# Altium PCB Main_Board.PcbDoc (part 4 of 19) (continued)
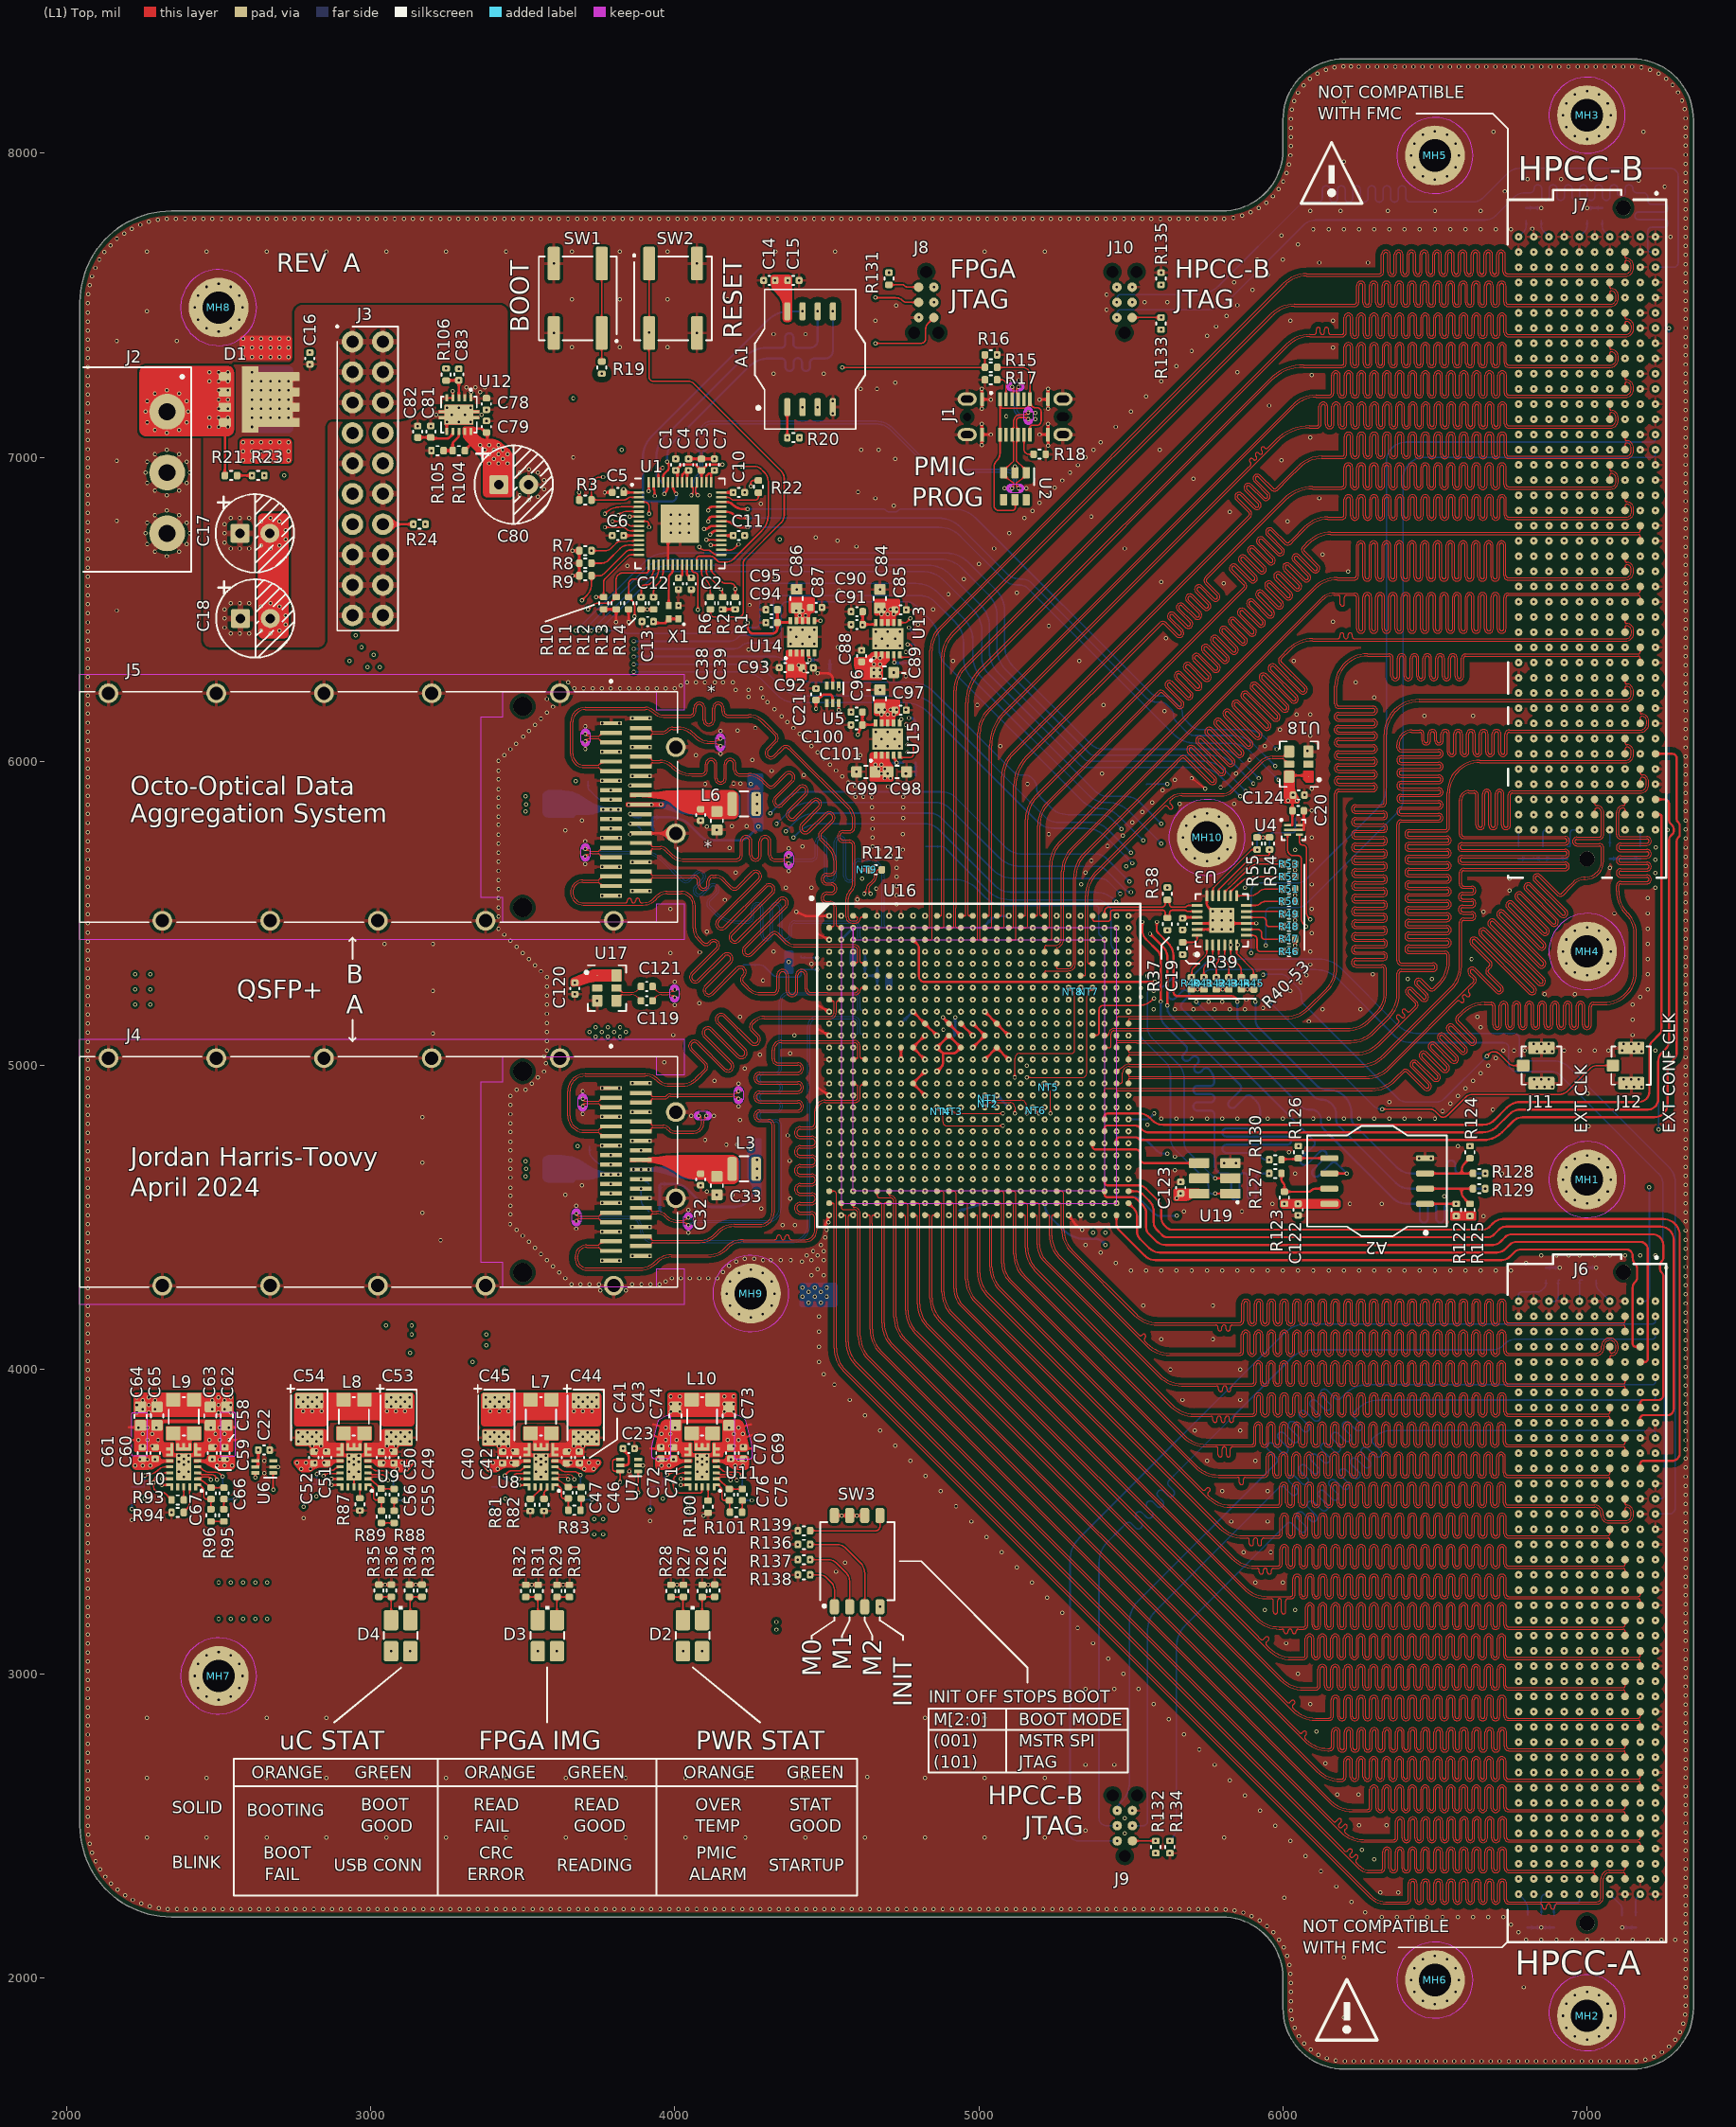
[diagram p0: (L1) Top view]
## Nets (pads, with @x,y where several pads share a name; then routed paths per layer and width w, separated by ;. In a path a pad name is that pad's centre, name@x,y a point inside that pad or via, vN(x,y) a via of type N, cw(c..) or ccw(c..) an arc to the next point about the centre after c; other vN are vias at no path point) (continued)
  other v1: 6203.22,1725.58 6233.2,1725.58 6263.18,1725.58 6293.16,1725.58 6323.14,1725.58 6353.12,1725.58 6383.1,1725.58 6413.08,1725.58 6443.06,1725.58 6473.04,1725.58 6503.02,1725.58 6533,1725.58 6562.98,1725.58 6592.96,1725.58 6622.94,1725.58 6652.92,1725.58 6682.9,1725.58 6712.88,1725.58 6742.86,1725.58 6772.84,1725.58 6802.82,1725.58 6832.8,1725.58 6862.78,1725.58 6892.76,1725.58 6922.74,1725.58 6952.72,1725.58 6982.7,1725.58 7012.68,1725.58 7042.66,1725.58 7072.64,1725.58 7102.62,1725.58 7132.6,1725.58 7162.57,1726.27 6173.31,1727.71 7192.2,1730.8 6144.23,1734.99 7220.54,1740.58 6116.7,1746.87 7246.74,1755.16 6091.65,1763.34 7270.24,1773.77 6069.99,1784.07 7000,1796.26 7290.13,1796.2 6960.63,1806.81 7039.37,1806.81 6051.97,1808.03 7305.67,1821.85 6038.23,1834.67 6931.81,1835.63 7068.19,1835.63 7316.85,1849.66 6029.68,1863.41 6200.79,1870.08 6921.26,1875 7078.74,1875 7323.18,1878.97 6025.89,1893.15 7324.42,1908.92 6500,1913.76 6931.81,1914.37 7068.19,1914.37 6025.58,1923.13 6460.63,1924.31 6539.37,1924.31 7324.42,1938.9 6960.63,1943.19 7039.37,1943.19 6025.58,1953.11 6431.81,1953.13 6568.19,1953.13 7000,1953.74 6791.34,1968.5 7324.42,1968.88 6025.58,1983.09 6421.26,1992.5 6578.74,1992.5 7324.42,1998.86 6024.95,2013.06 7324.42,2028.84 6431.81,2031.87 6568.19,2031.87 6021.22,2042.81 7324.42,2058.82 6460.63,2060.69 6539.37,2060.69 6200.79,2066.93 6500,2071.24 6013.57,2071.8 7324.42,2088.8 6002.15,2099.52 7324.42,2118.78 5987.15,2125.47 6800,2125 6850,2125 6900,2125 6950,2125 7000,2125 7050,2125 7100,2125 7150,2125 7200,2125 7245,2125 7290,2125 5968.84,2149.21 7324.42,2148.76 6775,2150 6850,2165 5947.54,2170.3 6750,2175 7324.42,2178.74 5923.62,2188.39 6325,2200 6375,2200 6425,2200 6475,2200 6525,2200 6575,2200 6625,2200 6675,2200 6725,2200 5897.52,2203.14 7324.42,2208.72 5869.69,2214.29 6270,2215 5840.63,2221.65 5810.85,2225.09 2333.18,2225.99 2363.15,2225.58 2393.13,2225.58 2423.11,2225.58 2453.09,2225.58 2483.07,2225.58 2513.05,2225.58 2543.03,2225.58 2573.01,2225.58 2602.99,2225.58 2632.97,2225.58 2662.95,2225.58 2692.93,2225.58 2722.91,2225.58 2752.89,2225.58 2782.87,2225.58 2812.85,2225.58 2842.83,2225.58 2872.81,2225.58 2902.79,2225.58 2932.77,2225.58 2962.75,2225.58 2992.73,2225.58 3022.71,2225.58 3052.69,2225.58 3082.67,2225.58 3112.65,2225.58 3142.63,2225.58 3172.61,2225.58 3202.59,2225.58 3232.57,2225.58 3262.55,2225.58 3292.53,2225.58 3322.51,2225.58 3352.49,2225.58 3382.47,2225.58 3412.45,2225.58 3442.43,2225.58 3472.41,2225.58 3502.39,2225.58 3532.37,2225.58 3562.35,2225.58 3592.33,2225.58 3622.31,2225.58 3652.29,2225.58 3682.27,2225.58 3712.25,2225.58 3742.23,2225.58 3772.21,2225.58 3802.19,2225.58 3832.17,2225.58 3862.15,2225.58 3892.13,2225.58 3922.11,2225.58 3952.09,2225.58 3982.07,2225.58 4012.05,2225.58 4042.03,2225.58 4072.01,2225.58 4101.99,2225.58 4131.97,2225.58 4161.95,2225.58 4191.93,2225.58 4221.91,2225.58 4251.89,2225.58 4281.87,2225.58 4311.85,2225.58 4341.83,2225.58 4371.81,2225.58 4401.79,2225.58 4431.77,2225.58 4461.75,2225.58 4491.73,2225.58 4521.71,2225.58 4551.69,2225.58 4581.67,2225.58 4611.65,2225.58 4641.63,2225.58 4671.61,2225.58 4701.59,2225.58 4731.57,2225.58 4761.55,2225.58 4791.53,2225.58 4821.51,2225.58 4851.49,2225.58 4881.47,2225.58 4911.45,2225.58 4941.43,2225.58 4971.41,2225.58 5001.39,2225.58 5031.37,2225.58 5061.35,2225.58 5091.33,2225.58 5121.31,2225.58 5151.29,2225.58 5181.27,2225.58 5211.25,2225.58 5241.23,2225.58 5271.21,2225.58 5301.19,2225.58 5331.17,2225.58 5361.15,2225.58 5391.13,2225.58 5421.11,2225.58 5451.09,2225.58 5481.07,2225.58 5511.05,2225.58 5541.03,2225.58 5571.01,2225.58 5600.99,2225.58 5630.97,2225.58 5660.95,2225.58 5690.93,2225.58 5720.91,2225.58 5750.89,2225.58 5780.87,2225.58 2303.33,2228.8 2273.96,2234.84 7324.42,2238.7 2245.43,2244.06 6225,2250 2218.08,2256.32 6003.94,2263.78 7324.42,2268.68 2192.22,2271.5 6825,2275 6925,2275 7025,2275 7125,2275 7225,2275 6320,2280 6380,2280 2168.18,2289.41 7324.42,2298.66 6175,2300 2146.23,2309.83 6775,2325 6875,2325 6975,2325 7075,2325 7175,2325 7324.42,2328.64 2126.64,2332.53 6125,2350 2109.64,2357.22 7324.42,2358.62 6775,2375 6875,2375 6975,2375 7075,2375 7175,2375 2095.43,2383.62 7324.42,2388.6 6300,2390 6075,2400 5628.28,2409.92 2084.19,2411.41 7324.42,2418.58 6260,2420 6825,2425 6925,2425 7025,2425 7125,2425 7225,2425 2076.04,2440.26 7324.42,2448.56 6025,2450 2263.78,2460.63 2460.63,2460.63 2657.48,2460.63 2854.33,2460.63 3051.18,2460.63 3248.03,2460.63 3444.88,2460.63 3641.73,2460.63 3838.58,2460.63 4035.43,2460.63 4232.28,2460.63 4429.13,2460.63 4625.98,2460.63 4822.83,2460.63 5019.69,2460.63 5216.54,2460.63 5807.09,2460.63 2071.08,2469.83 5480,2475 6825,2475 6925,2475 7025,2475 7125,2475 7225,2475 7324.42,2478.54 5350,2485 2069.53,2499.77 5975,2500 6250,2502 6340,2502 7324.42,2508.52 5480,2525 5605,2525 6775,2525 6875,2525 6975,2525 7075,2525 7175,2525 2069.58,2529.75 7324.42,2538.5 5505,2550 5925,2550 2069.58,2559.73 7324.42,2568.48 6775,2575 6875,2575 6975,2575 7075,2575 7175,2575 2069.58,2589.71 7324.42,2598.46 5875,2600 6179,2603 6249,2603 2069.58,2619.69 6825,2625 6925,2625 7025,2625 7125,2625 7225,2625 7324.42,2628.44 2069.58,2649.67 5825,2650 2263.78,2657.48 2460.63,2657.48 2657.48,2657.48 2854.33,2657.48 3051.18,2657.48 3248.03,2657.48 3444.88,2657.48 3641.73,2657.48 3838.58,2657.48 4035.43,2657.48 4232.28,2657.48 4429.13,2657.48 4822.83,2657.48 5019.69,2657.48 5216.54,2657.48 7324.42,2658.42 4633.44,2660.26 6825,2675 6925,2675 7025,2675 7125,2675 7225,2675 2069.58,2679.65 7324.42,2688.4 5350,2700 5445,2700 5775,2700 6140,2706 2069.58,2709.63 7324.42,2718.38 6775,2725 6875,2725 6975,2725 7075,2725 7175,2725 2069.58,2739.61 7324.42,2748.36 5725,2750 2069.58,2769.59 6775,2775 6875,2775 6975,2775 7075,2775 7175,2775 7324.42,2778.34 2069.58,2799.57 5675,2800 7324.42,2808.32 6110,2810 6825,2825 6925,2825 7025,2825 7125,2825 7225,2825 2069.58,2829.55 7324.42,2838.3 5625,2850 2263.78,2854.33 2657.48,2854.33 2854.33,2854.33 4822.83,2854.33 5019.69,2854.33 5216.54,2854.33 2069.58,2859.53 7324.42,2868.28 6825,2875 6925,2875 7025,2875 7125,2875 7225,2875 2069.58,2889.51 7324.42,2898.26 5575,2900 6090,2900 2500,2913.76 2069.58,2919.49 2460.63,2924.31 2539.37,2924.31 6775,2925 6875,2925 6975,2925 7075,2925 7175,2925 7324.42,2928.24 2069.58,2949.47 5350,2950 5445,2950 5525,2950 2431.81,2953.13 2568.19,2953.13 7324.42,2958.22 6775,2975 6875,2975 6975,2975 7075,2975 7175,2975 2069.58,2979.45 7324.42,2988.2 2421.26,2992.5 2578.74,2992.5 5475,3000 6050,3000 2069.58,3009.43 7324.42,3018.18 6825,3025 6925,3025 7025,3025 7125,3025 7225,3025 2431.81,3031.87 2568.19,3031.87 2069.58,3039.41 7324.42,3048.16 5425,3050 2460.63,3060.69 2539.37,3060.69 2069.58,3069.39 2500,3071.24 6825,3075 6925,3075 7025,3075 7125,3075 7225,3075 7324.42,3078.14 2069.58,3099.37 5375,3100 6010,3100 7324.42,3108.12 6775,3125 6875,3125 6975,3125 7075,3125 7175,3125 2069.58,3129.35 7324.42,3138.1 5325,3150 2069.58,3159.33 7324.42,3168.08 6775,3175 6875,3175 6975,3175 7075,3175 7175,3175 2069.58,3189.31 7324.42,3198.06 5275,3200 5940,3210 6040,3210 2069.58,3219.29 6825,3225 6925,3225 7025,3225 7125,3225 7225,3225 7324.42,3228.04 2069.58,3249.27 5225,3250 7324.42,3258.02 6825,3275 6925,3275 7025,3275 7125,3275 7225,3275 2069.58,3279.25 7324.42,3288 5175,3300 5910,3300 6000,3300 2069.58,3309.23 7324.42,3317.98 4405,3325 6775,3325 6875,3325 6975,3325 7075,3325 7175,3325 4530,3335 2069.58,3339.21 7324.42,3347.96 5125,3350 4560,3365 2069.58,3369.19 4405,3375 6775,3375 6875,3375 6975,3375 7075,3375 7175,3375 7324.42,3377.94 2069.58,3399.17 5075,3400 5870,3400 5960,3400 7324.42,3407.92 4405,3425 6825,3425 6925,3425 7025,3425 7125,3425 7225,3425 2069.58,3429.15 7324.42,3437.9 5025,3450 2069.58,3459.13 7324.42,3467.88 4405,3470 6825,3475 6925,3475 7025,3475 7125,3475 7225,3475 2069.58,3489.11 7324.42,3497.86 3401.68,3498.76 4975,3500 5830,3500 5950,3500 3919.05,3501.72 2215,3505 2779.49,3511.05 2069.58,3519.09 4095,3520 6775,3525 6875,3525 6975,3525 7075,3525 7175,3525 7324.42,3527.84 2345,3530 3525,3534.72 3570,3534.72 2964.49,3536.72 2069.58,3549.07 4925,3550 7324.42,3557.82 6775,3575 6875,3575 6975,3575 7075,3575 7175,3575 2069.58,3579.05 7324.42,3587.8 4875,3600 5800,3600 5950,3600 2069.58,3609.03 7324.42,3617.78 6825,3625 6925,3625 7025,3625 7125,3625 7225,3625 2069.58,3639.01 2385,3647.52 3560,3647.52 4090,3647.52 7324.42,3647.76 4825,3650 2650,3660 2369.25,3664.25 2400.75,3664.25 2929.25,3664.25 2960.75,3664.25 3544.25,3664.25 3575.75,3664.25 4074.25,3664.25 4105.75,3664.25 3850,3665 2069.58,3668.99 6825,3675 6925,3675 7025,3675 7125,3675 7225,3675 7324.42,3677.74 2695,3680 3895,3685 2385,3686.89 2945,3686.89 3560,3686.89 4090,3686.89 2369.25,3696.73 2400.75,3696.73 2929.25,3696.73 2960.75,3696.73 3544.25,3696.73 3575.75,3696.73 4074.25,3696.73 4105.75,3696.73 2069.58,3698.97 2650,3700 4775,3700 5750,3700 5910,3700 2385,3706.57 2945,3706.57 3560,3706.57 4090,3706.57 7324.42,3707.72 2369.25,3716.42 2400.75,3716.42 2929.25,3716.42 2960.75,3716.42 3544.25,3716.42 3575.75,3716.42 4074.25,3716.42 4105.75,3716.42 6775,3725 6875,3725 6975,3725 7075,3725 7175,3725 2069.58,3728.95 2822,3733.89 2852,3733.89 3038,3733.89 3068,3733.89 3437,3733.89 3467,3733.89 3653,3733.89 3683,3733.89 2667.97,3735.27 7324.42,3737.7 3867.52,3740.47 2250.78,3748.89 2280.78,3748.89 2489.22,3748.89 2519.22,3748.89 2807,3748.89 2837,3748.89 3053,3748.89 3083,3748.89 3422,3748.89 3452,3748.89 3668,3748.89 3698,3748.89 3985.78,3748.89 4194.22,3748.89 4725,3750 2069.58,3758.93 2762,3763.89 2792,3763.89 2822,3763.89 3068,3763.89 3098,3763.89 3128,3763.89 3377,3763.89 3407,3763.89 3437,3763.89 3683,3763.89 3713,3763.89 3743,3763.89 7324.42,3767.68 2265.78,3768.89 2300.78,3768.89 2469.22,3768.89 2504.22,3768.89 4005.78,3768.89 4174.22,3768.89 6775,3775 6875,3775 6975,3775 7075,3775 7175,3775 2777,3778.89 2807,3778.89 2837,3778.89 3053,3778.89 3083,3778.89 3113,3778.89 3392,3778.89 3422,3778.89 3452,3778.89 3668,3778.89 3698,3778.89 3728,3778.89 2069.58,3788.91 2250.78,3788.89 2280.78,3788.89 2489.22,3788.89 2519.22,3788.89 3955.78,3788.89 3985.78,3788.89 4194.22,3788.89 4224.22,3788.89 2762,3793.89 2792,3793.89 2822,3793.89 3068,3793.89 3098,3793.89 3128,3793.89 3377,3793.89 3407,3793.89 3437,3793.89 3683,3793.89 3713,3793.89 3743,3793.89 7324.42,3797.66 4675,3800 5710,3800 5860,3800 2265.78,3808.89 2295.78,3808.89 2474.22,3808.89 2504.22,3808.89 4000.78,3808.89 4179.22,3808.89 2069.58,3818.89 6825,3825 6925,3825 7025,3825 7125,3825 7225,3825 7324.42,3827.64 2069.58,3848.87 4625,3850 7324.42,3857.62 6825,3875 6925,3875 7025,3875 7125,3875 7225,3875 2069.58,3878.85 7324.42,3887.6 4575,3900 5670,3900 5860,3900 2069.58,3908.83 7324.42,3917.58 6775,3925 6875,3925 6975,3925 7075,3925 7175,3925 2069.58,3938.81 7324.42,3947.56 4525,3950 2069.58,3968.79 6775,3975 6875,3975 6975,3975 7075,3975 7175,3975 7324.42,3977.54 4490,3985 2069.58,3998.77 5630,4000 5860,4000 7324.42,4007.52 4475,4025 6825,4025 6925,4025 7025,4025 7125,4025 7225,4025 2069.58,4028.75 7324.42,4037.5 2069.58,4058.73 7324.42,4067.48 4475,4075 6825,4075 6925,4075 7025,4075 7125,4075 7225,4075 2069.58,4088.71 7324.42,4097.46 5600,4100 5770,4100 2069.58,4118.69 4475,4125 6775,4125 6875,4125 6975,4125 7075,4125 7175,4125 7324.42,4127.44 2069.58,4148.67 7324.42,4157.42 4250,4171.26 4475,4175 6775,4175 6875,4175 6975,4175 7075,4175 7175,4175 2069.58,4178.65 4210.63,4181.81 4289.37,4181.81 7324.42,4187.4 2070,4208.58 5540,4210 5770,4210 4181.81,4210.63 4318.19,4210.63 7324.42,4217.38 6825,4225 6925,4225 7025,4225 7125,4225 7225,4225 2070,4238.56 7324.42,4247.36 4171.26,4250 4328.74,4250 3755,4260 3840,4260 2070,4268.54 7324.42,4277.34 3660,4280 3690,4280 3720,4280 3750,4280 3860,4280 3890,4280 3920,4280 3950,4280 4181.81,4289.37 4318.19,4289.37 3970,4290 2070,4298.52 3640,4300 3990,4300 4020,4300 4050,4300 4080,4300 4110,4300 4140,4300 7324.42,4307.32 4450,4310 4490,4310 4210.63,4318.19 4289.37,4318.19 3620,4320 4159,4321 5500,4325 5550,4325 5600,4325 5650,4325 5700,4325 5750,4325 5800,4325 5850,4325 5900,4325 5950,4325 6000,4325 6050,4325 6100,4325 6150,4325 6200,4325 6250,4325 6300,4325 6350,4325 6400,4325 6450,4325 6500,4325 6550,4325 6600,4325 6650,4325 6700,4325 6750,4325 2070,4328.5 4250,4328.74 4470,4330 7260,4335 7324.42,4337.3 3600,4340 4179,4341 5450,4350 6800,4350 4202,4355 4417.68,4355.68 2070,4358.48 3762.22,4358.66 3818.09,4358.66 3580,4360 4290,4360 4315,4360 4348.74,4360.07 4381.67,4359.87 4450,4360 4490,4360 4230,4364 4261,4365 7324.42,4367.28 3860.65,4374.41 3916.52,4374.41 4433.35,4375.44 4470,4375 6850,4375 6900,4375 6940,4375 6975,4375 7025,4375 7075,4375 7125,4375 7175,4375 7225,4375 3560,4380 5400,4385 2070,4388.46 4455,4390 4490,4390 7324.42,4397.26 3540,4400 4480,4410 5350,4410 2070,4418.44 3520,4420 3230,4425 7324.42,4427.24 4495,4435 3500,4440 2070,4448.42 4045,4450 3762.22,4453.15 3818.09,4453.15 7324.42,4457.22 3480,4460 4500,4460 3676.17,4463.29 3860.65,4468.9 3916.52,4468.9 4355,4475 4395,4475 2070,4478.4 3458.7,4477.99 4505,4485 7324.42,4487.2 6660,4505 6050,4507.2 2070,4508.38 4901.57,4507.87 5334.65,4507.87 3460,4511.44 3170,4515 7324.42,4517.18 5675,4520 5865,4520 4045,4525 4285,4530 2070,4538.36 3676.17,4538.29 3460,4538.56 5965,4545 6220,4545 6325,4545 7000,4546.26 4625.98,4547.24 5334.65,4547.24 5413.39,4547.24 7324.42,4547.16 3762.22,4547.64 3818.09,4547.64 6960.63,4556.81 7039.37,4556.81 4380.03,4561.77 3860.65,4563.39 3916.52,4563.39 2070,4568.34 6530,4570 3460,4571.44 3640,4574.49 4138.32,4574.49 4190,4575 7324.42,4577.14 4105,4585 6931.81,4585.63 7068.19,4585.63 4231.1,4586.94 4744.09,4586.61 5137.8,4586.61 6705,4595 2070,4598.32 3460,4598.56 3695,4606.1 4085,4606.1 7324.42,4607.12 5664.05,4617.06 6921.26,4625 7078.74,4625 4862.2,4625.98 5255.91,4625.98 2070,4628.3 3460,4631.44 7324.42,4637.1 6040,4645 6720,4645 5645,4655 2070,4658.28 3460,4660 6931.81,4664.37 7068.19,4664.37 4586.61,4665.35 4980.31,4665.35 5374.02,4665.35 5413.39,4665.35 7324.42,4667.08 5806,4679 5846,4679 3170,4680 4378,4686 2070,4688.26 3460,4688.68 6960.63,4693.19 7039.37,4693.19 6448,4695 6487,4695 7324.42,4697.06 5645,4700 7000,4703.74 4704.72,4704.72 5098.43,4704.72 5334.65,4704.72 5374.02,4704.72 5413.39,4704.72 5492.13,4704.72 6020,4715 2070,4718.24 3460,4721.56 7324.42,4727.04 6575,4735 3762.22,4736.61 3818.09,4736.61 4204.49,4738.97 4170,4740 4822.83,4744.09 5216.54,4744.09 5255.91,4744.09 5334.65,4744.09 5492.13,4744.09 2070,4748.22 3460,4748.56 3860.65,4752.36 3916.52,4752.36 4100,4755 7324.42,4757.02 4372,4770 2070,4778.2 3460,4781.44 4547.24,4783.46 4940.94,4783.46 5334.65,4783.46 7324.42,4787 7005,4800 5555,4805 2070,4808.18 3460,4810 7324.42,4816.98 4215,4820 4665.35,4822.83 4940.94,4822.83 5059.06,4822.83 5452.76,4822.83 5600,4825 5650,4825 5700,4825 5750,4825 5800,4825 5850,4825 5900,4825 5950,4825 6000,4825 6100,4825 6150,4825 6200,4825 6250,4825 6300,4825 6350,4825 6400,4825 6450,4825 6500,4825 3170,4830 3762.22,4831.1 3818.09,4831.1 4054.5,4835 4129.5,4835 6055,4835 2070,4838.16 3460,4840 3697,4841 3860.65,4846.85 3916.52,4846.85 7324.42,4846.96 6525,4850 6690,4855 4625.98,4862.2 4783.46,4862.2 4822.83,4862.2 4940.94,4862.2 4209.99,4865.19 2070,4868.14 3460,4870 6550,4875 7324.42,4876.94 6350,4880 2070,4898.12 3460,4900 6575,4900 4586.61,4901.57 4625.98,4901.57 4744.09,4901.57 4901.57,4901.57 4980.31,4901.57 7324.42,4906.92 7002.69,4907.93 3697,4916 3480,4920 3510,4920 6600,4925 3762.22,4925.59 3818.09,4925.59 2070,4928.1 6834.96,4930 6859.96,4930 6884.96,4930 7129.96,4930 7154.96,4930 7179.96,4930 7324.42,4936.9 3530,4940 4209.99,4940.19 3860.65,4941.34 3916.52,4941.34 4507.87,4940.94 4547.24,4940.94 4665.35,4940.94 4862.2,4940.94 4901.57,4940.94 4940.94,4940.94 5019.69,4940.94 5413.39,4940.94 4130,4950 6625,4950 6826,4955 6849.96,4955 6874.96,4955 7121,4955 7144.96,4955 7169.96,4955 2070,4958.08 3550,4960 7324.42,4966.88 6650,4975 3570,4980 4586.61,4980.31 4625.98,4980.31 4901.57,4980.31 4940.94,4980.31 4980.31,4980.31 5059.06,4980.31 5137.8,4980.31 2070,4988.06 4230,4990 7324.42,4996.86 6675,5000 3576,5007 3965,5010 2070,5018.04 4507.87,5019.69 4547.24,5019.69 4665.35,5019.69 4862.2,5019.69 4901.57,5019.69 4940.94,5019.69 5255.91,5019.69 6700,5025 7324.42,5026.84 3570,5030 4280,5035 7268,5035 4379,5040 6834.96,5046.14 6859.96,5046.14 6884.96,5046.14 7154.96,5046.14 7179.96,5046.14 2070,5048.02 3580,5050 6725,5050 6760,5050 6795,5050 6925,5050 6975,5050 7025,5050 7070,5050 7115,5050 7225,5050 7324.42,5056.82 4625.98,5059.06 4822.83,5059.06 4901.57,5059.06 5098.43,5059.06 5374.02,5059.06 6824,5071 6849.96,5071.14 6874.96,5071.14 7121,5071 7144.96,5071.14 7169.96,5071.14 2070,5078 3580,5080 7324.42,5086.8 4665.35,5098.43 5492.13,5098.43 4393.62,5098.72 3995,5100 7150,5100 3205,5105 2069.58,5108.03 3580,5110 7324.42,5116.78 4883,5118 6650,5125 2069.58,5138.01 4586.61,5137.8 4625.98,5137.8 4744.09,5137.8 5216.54,5137.8 5295.28,5137.8 3580,5140 6085,5145 7324.42,5146.76 7150,5150 4215,5160 6640,5160 2069.58,5167.99 3580,5170 4547.24,5177.17 4665.35,5177.17 4940.94,5177.17 5334.65,5177.17 7324.42,5176.74 5575,5185 5645,5185 5705,5185 5775,5185 5825,5185 5875,5185 6130,5185 6255,5185 5935,5190 2069.58,5197.97 3999.33,5199.39 3580,5200 7150,5200 4080,5205 7324.42,5206.72 5755,5210 5800,5210 3745.01,5213.32 4625.98,5216.54 4744.09,5216.54 5059.06,5216.54 5374.02,5216.54 5452.76,5216.54 5880,5216.57 7175,5225 2069.58,5227.95 3580,5230 3671.5,5234.35 5975,5235 6860,5235 6960,5235 7324.42,5236.7 3205,5245 6025,5245 5575,5246 7200,5250 4507.87,5255.91 4783.46,5255.91 5177.17,5255.91 5413.39,5255.91 5452.76,5255.91 5492.13,5255.91 2069.58,5257.93 3580,5260 7324.42,5266.68 3999.33,5274.39 6058.1,5273.62 4290,5280 6410,5285 6490,5285 2069.58,5287.91 3580,5290 4586.61,5295.28 4744.09,5295.28 4901.57,5295.28 5295.28,5295.28 5374.02,5295.28 5413.39,5295.28 5452.76,5295.28 6078.1,5296.43 7000,5296.26 7324.42,5296.66 6295,5300 7200,5300 6960.63,5306.81 7039.37,5306.81 3560,5310 2069.58,5317.89 7324.42,5326.64 3540,5330 6090.26,5331.94 4450,5334 4507.87,5334.65 4547.24,5334.65 4744.09,5334.65 5019.69,5334.65 5295.28,5334.65 5334.65,5334.65 5413.39,5334.65 5452.76,5334.65 5492.13,5334.65 6931.81,5335.63 7068.19,5335.63 2069.58,5347.87 3520,5350 6620,5350 7200,5350 7324.42,5356.62 5710,5365 3500,5370 3985,5370 4082.43,5372.31 4744.09,5374.02 5137.8,5374.02 5374.02,5374.02 5413.39,5374.02 5492.13,5374.02 4325,5375 6090,5375 6921.26,5375 7078.74,5375 2069.58,5377.85 7324.42,5386.6 3480,5390 3045,5400 3205,5400 7200,5400 2070,5407.58 3460,5410 4665.35,5413.39 4744.09,5413.39 4862.2,5413.39 5255.91,5413.39 5295.28,5413.39 5334.65,5413.39 5492.13,5413.39 6931.81,5414.37 7068.19,5414.37 7324.42,5416.58 3440,5430 6095,5435 2070,5437.56 4105,5440 6960.63,5443.19 7039.37,5443.19 5670,5446.1 7324.42,5446.56 3420,5450 7200,5450 4625.98,5452.76 4744.09,5452.76 5255.91,5452.76 5295.28,5452.76 5374.02,5452.76 5452.76,5452.76 7000,5453.74 2070,5467.54 7324.42,5476.54 3420,5490 4547.24,5492.13 4665.35,5492.13 4704.72,5492.13 4744.09,5492.13 5255.91,5492.13 5492.13,5492.13 2070,5497.52 7090,5500 7200,5500 6660,5505 7324.42,5506.52 3985,5515 6095,5515 3420,5520 2070,5527.5 4730,5530 7324.42,5536.5 4165,5545 4600,5546 3420,5550 7200,5550 2070,5557.48 3762.22,5558.66 3818.09,5558.66 4730,5560 7324.42,5566.48 3860.65,5574.41 3916.52,5574.41 6745,5575 3420,5580 4662,5582 4365,5585 4450,5585 7225,5585 2070,5587.46 4730,5590 6095,5595 5337,5596 7324.42,5596.46 3420,5610 4616,5615 6745,5615 2070,5617.44 4730,5620 7324.42,5626.44 7225,5633 4200,5635 5350,5635 4375.07,5638.7 3420,5640 2070,5647.42 4730,5650 7075,5650 3762.22,5653.15 3818.09,5653.15 7324.42,5656.42 3706,5663 3860.65,5668.9 3916.52,5668.9 3420,5670 5750,5671.26 5370.13,5673.66 6095,5675 7225,5676 2070,5677.4 4729.98,5679.99 5710.63,5681.81 5789.37,5681.81 7324.42,5686.4 4710,5690 3420,5700 2070,5707.38 6040.52,5709.48 4670,5710 4750,5710 5681.81,5710.63 5818.19,5710.63 4375.07,5713.7 4180,5715 4710,5715 7324.42,5716.38 7226,5717 4420,5720 4650,5720 5423.04,5721.21 3420,5730 2070,5737.36 3706,5738 7324.42,5746.36 3762.22,5747.64 3818.09,5747.64 4650,5750 5671.26,5750 5828.74,5750 6095,5750 5473.64,5755.75 3420,5758.56 3853.65,5759.86 4750,5760 5230,5760 2070,5767.34 3640,5773.49 4138.32,5774.49 6825,5775 6925,5775 7025,5775 7125,5775 7225,5775 7265,5775 7324.42,5776.34 4650,5778.56 4105,5785 4188.32,5787.47 4236.1,5786.94 5681.81,5789.37 5818.19,5789.37 3420,5791.44 2070,5797.32 5505,5800 3695,5806.2 4085,5806 7324.42,5806.32 4650,5811.44 4751.23,5813.25 5710.63,5818.19 5789.37,5818.19 3420,5818.56 6775,5825 6875,5825 6975,5825 7075,5825 7175,5825 2070,5827.3 5750,5828.74 5537.17,5834.42 7324.42,5836.3 6095,5839 4751.36,5848.21 4648.33,5848.82 3420,5851.44 2070,5857.28 5660,5860 5840,5860 5570,5865 7324.42,5866.28 6775,5875 6875,5875 6975,5875 7075,5875 7175,5875 3420,5880 4648,5882 4594,5883 4620,5883 4751.47,5882.95 2070,5887.26 6070.9,5889.3 7324.42,5896.26 5605,5905 3420,5908.56 6095,5910 5795,5915 2070,5917.24 4593,5917 4701.47,5917.03 4759.44,5919.17 4100,5925 5160,5925 6825,5925 6925,5925 7025,5925 7125,5925 7225,5925 7324.42,5926.24 4193.41,5926.67 4216.06,5926.71 4570,5930 3762.22,5936.61 3818.09,5936.61 5645,5940 3420,5941.44 2070,5947.22 4550,5950 3860.65,5952.36 3916.52,5952.36 4425,5955 7324.42,5956.22 4760,5960 5405,5960 5845,5960 4597.83,5965.7 4318.29,5968.5 3420,5968.56 4530,5970 6825,5975 6925,5975 7025,5975 7125,5975 7225,5975 2070,5977.2 7324.42,5986.2 4510,5990 3420,6001.44 4255,6005 5890,6005 2070,6007.18 4490,6010 7324.42,6016.18 3440,6020 4070,6020 4610,6020 4150,6025 6775,6025 6875,6025 6975,6025 7075,6025 7175,6025 4470,6030 4765,6030 3762.22,6031.1 3818.09,6031.1 6080,6035 2070,6037.16 3460,6040 3706.21,6040.9 7324.42,6046.16 3860.65,6046.85 3916.52,6046.85 4450,6050 4660.63,6049.53 4700,6049.53 4739.37,6049.53 5070,6050 5940,6050 3478.38,6058.38 2070,6067.14 4430,6070 4680.31,6073.15 4723.62,6073.15 6775,6075 6875,6075 6975,6075 7075,6075 7175,6075 7324.42,6076.14 3501.62,6081.62 6090,6085 4410,6090 4540,6095 2070,6097.12 4660.63,6096.77 4700,6096.77 4739.37,6096.77 3520,6100 4150,6100 4206.59,6102.13 5990,6105 7324.42,6106.12 4265,6110 4390,6110 3706.21,6115.9 3540,6120 4579.56,6119.83 4760,6120 6825,6125 6925,6125 7025,6125 7125,6125 7225,6125 3762.22,6125.59 3818.09,6125.59 2070,6127.1 4370,6130 7324.42,6136.1 3560,6140 3860.65,6141.34 3916.52,6141.34 4351.62,6148.38 6465,6150 6625,6150 6045,6155 6090,6155 2070,6157.08 3580,6160 4579.56,6162.24 5610,6165 7324.42,6166.08 4760,6170 4328.38,6171.62 6825,6175 6925,6175 7025,6175 7125,6175 7225,6175 3600,6180 4995,6185 5410,6185 2070,6187.06 4305.15,6194.88 7324.42,6196.06 3580,6205 4290,6210 6300,6210 4242.16,6211.9 2070,6217.04 6775,6225 6875,6225 6975,6225 7075,6225 7175,6225 7324.42,6226.04 4200,6235 4770,6235 4242.63,6235.73 4674.74,6235.76 3670,6240 3700,6240 3730,6240 3760,6240 3790,6240 3820,6240 3850,6240 3880,6240 3910,6240 3940,6240 3970,6240 4000,6240 4285,6240 4464.36,6239.76 2070,6247.02 4020,6250 7324.42,6256.02 3650,6260 4040,6260 4070,6260 4098.56,6260 4131.44,6260 4158.56,6260 4191.44,6260 6240,6260 6775,6275 6875,6275 6975,6275 7075,6275 7175,6275 2070,6277 4760,6280 7324.42,6286 4720.14,6292.15 2069.58,6307.23 4343.64,6308.45 4455.65,6307.71 7324.42,6315.98 6825,6325 6925,6325 7025,6325 7125,6325 7225,6325 4915,6330 5330,6330 6035,6330 2069.58,6337.21 7324.42,6345.96 4760,6360 4614.63,6365.05 2069.58,6367.19 4242.07,6367.85 4536.91,6375.43 6825,6375 6925,6375 7025,6375 7125,6375 7225,6375 7324.42,6375.94 4661.26,6379.53 4700.63,6379.53 4740,6379.53 4380.63,6386.38 4420,6386.38 4459.37,6386.38 2069.58,6397.17 4680.94,6403.15 4724.25,6403.15 5615,6405 7324.42,6405.92 4400.31,6410 4443.62,6410 2670,6420 6775,6425 6875,6425 6975,6425 7075,6425 7175,6425 2069.58,6427.15 4661.26,6426.77 4700.63,6426.77 4740,6426.77 2640,6430 2700,6430 4380.63,6433.62 4420,6433.62 4459.37,6433.62 7324.42,6435.9 5230,6445 2720,6450 4579.98,6449.74 4800,6450 4299.56,6456.31 2069.58,6457.13 3892.2,6460 6165,6460 7324.42,6465.88 6775,6475 6875,6475 6975,6475 7075,6475 7175,6475 2720,6480 2069.58,6487.11 4579.98,6492.43 2165.35,6496.06 7324.42,6495.86 4761.46,6498.48 4299.56,6499 3910,6500 4850,6500 4483.88,6506 2640,6510 2700,6510 4011.65,6512.31 4246.29,6514.66 2069.58,6517.09 2670,6520 6825,6525 6925,6525 7025,6525 7125,6525 7225,6525 7324.42,6525.84 2069.58,6547.07 4900,6550 5125,6555 7324.42,6555.82 4540.06,6562.15 4400.92,6566.04 4674.56,6565.66 4012,6569.12 4054.41,6569.12 6825,6575 6925,6575 7025,6575 7125,6575 7225,6575 2069.58,6577.05 5805,6585 7324.42,6585.8 5600,6590 4950,6600 4330,6605 2069.58,6607.03 7324.42,6615.78 6215,6625 6775,6625 6875,6625 6975,6625 7075,6625 7175,6625 2069.58,6637.01 3843.49,6642.79 7324.42,6645.76 5000,6650 2069.58,6666.99 2330,6675 6775,6675 6875,6675 6975,6675 7075,6675 7175,6675 7324.42,6675.74 6130,6680 2290,6690 2370,6690 2069.58,6696.97 2670,6700 5050,6700 5480,6700 4597.25,6706.24 7324.42,6705.72 2640,6710 2700,6710 2265,6715 2395,6715 4535,6725 6825,6725 6925,6725 7025,6725 7125,6725 7225,6725 2069.58,6726.95 2720,6730 4463.08,6735.89 7324.42,6735.7 3794.19,6742.63 4229.88,6742.63 2260,6750 2405,6750 5100,6750 3987.47,6752.47 4017,6752.47 4046.53,6752.47 2069.58,6756.93 2720,6760 7324.42,6765.68 6825,6775 6925,6775 7025,6775 7125,6775 7225,6775 4017,6782 4046.53,6782 2265,6785 2395,6785 2069.58,6786.91 2640,6790 2700,6790 6015,6790 2165.35,6791.34 7324.42,6795.66 2670,6800 5150,6800 5370,6805 2290,6810 2370,6810 3987.47,6811.53 4017,6811.53 4046.53,6811.53 2069.58,6816.89 5825,6820 5176,6824 2330,6825 6775,6825 6875,6825 6975,6825 7075,6825 7175,6825 7324.42,6825.64 4719.98,6840.62 2069.58,6846.87 4282.34,6846.96 5200,6850 7324.42,6855.62 3520,6860 4660,6865 6120,6865 3550,6870 2330,6875 3490,6875 4115,6875 5225,6875 6775,6875 6875,6875 6975,6875 7075,6875 7175,6875 2069.58,6876.85 4229.88,6884.36 4602.8,6885.98 7324.42,6885.6 2290,6890 2370,6890 3570,6895 5084.61,6898 5155.44,6898 5250,6900 2069.58,6906.83 2265,6915 2395,6915 7324.42,6915.58 5275,6924 3570,6925 6825,6925 6925,6925 7025,6925 7125,6925 7225,6925 5705,6930 2069.58,6936.81 2650,6940 7324.42,6945.56 2260,6950 2405,6950 3490,6950 3550,6950 5300,6950 3520,6960 2069.58,6966.79 5326,6974 6825,6975 6925,6975 7025,6975 7125,6975 7225,6975 7324.42,6975.54 2265,6985 2395,6985 2165.35,6988.19 2580,6990 2610,6990 2640,6990 2670,6990 2700,6990 2730,6990 5995,6990 4003.04,6994.88 4725,6995 2069.58,6996.77 3665.87,6999.42 5350,7000 7324.42,7005.52 2290,7010 2370,7010 2580,7020 2610,7020 2640,7020 2670,7020 2700,7020 2730,7020 3199,7022 4612.41,7023.94 5377,7024 2330,7025 4670,7025 5595,7025 6775,7025 6875,7025 6975,7025 7075,7025 7175,7025 2069.58,7026.75 7324.42,7035.5 2580,7050 2610,7050 2640,7050 2670,7050 2700,7050 2730,7050 5400,7050 2069.58,7056.73 6090,7065 7324.42,7065.48 6775,7075 6875,7075 6975,7075 7075,7075 7175,7075 2069.58,7086.71 7324.42,7095.46 5450,7100 3154,7103 3198,7103 3250.63,7116.38 3290,7116.38 3329.37,7116.38 2069.58,7116.69 3381,7120 6825,7125 6925,7125 7025,7125 7125,7125 7225,7125 7324.42,7125.44 5185,7126 5090,7135 3215,7140 3266.38,7140 3309.69,7140 3365,7140 4520,7145 5185,7146 2069.58,7146.67 5500,7150 7324.42,7155.42 3381,7156 3250.63,7163.62 3290,7163.62 3329.37,7163.62 5955,7170 6825,7175 6925,7175 7025,7175 7125,7175 7225,7175 2069.58,7176.65 4520,7185 7324.42,7185.4 5550,7200 2069.58,7206.63 7324.42,7215.38 4610.77,7225.01 4665,7225 6775,7225 6875,7225 6975,7225 7075,7225 7175,7225 2069.58,7236.61 4725,7245 7324.42,7245.36 5600,7250 5109,7254 5131,7254 2069.58,7266.59 6095,7270 4325,7275 4490,7275 6775,7275 6875,7275 6975,7275 7075,7275 7175,7275 7324.42,7275.34 5850,7280 3289.64,7291.12 2069.58,7296.57 5650,7300 7324.42,7305.32 6825,7325 6925,7325 7025,7325 7125,7325 7225,7325 2069.58,7326.55 2580,7330 2610,7330 2640,7330 2670,7330 2700,7330 2730,7330 7324.42,7335.3 5060.08,7337.07 2800,7345 5700,7350 2069.58,7356.53 2580,7360 2610,7360 2640,7360 2670,7360 2700,7360 2730,7360 6165,7360 3661.42,7362.2 3818.9,7362.2 3976.38,7362.2 7324.42,7365.28 6825,7375 6925,7375 7025,7375 7125,7375 7225,7375 2165.35,7381.89 2362.2,7381.89 2069.58,7386.51 2580,7390 2610,7390 2640,7390 2670,7390 2700,7390 2730,7390 7324.42,7395.26 5750,7400 4325,7405 4430,7405 3602.13,7408.83 4073.26,7408.83 2500,7413.76 2069.58,7416.49 2460.63,7424.31 2539.37,7424.31 6775,7425 6875,7425 6975,7425 7075,7425 7175,7425 7324.42,7425.24 5780,7430 2069.58,7446.47 4660,7450 6025,7450 6165,7450 2431.81,7453.13 2568.19,7453.13 7324.42,7455.22 4802.08,7459.66 5815,7465 6775,7475 6875,7475 6975,7475 7075,7475 7175,7475 2069.58,7476.45 2263.78,7480.31 5420,7485 7324.42,7485.2 2421.26,7492.5 2578.74,7492.5 4728.09,7499.12 5850,7500 2069.58,7506.43 5545,7510 5620,7510 5730,7510 7324.42,7515.18 3503.94,7519.69 3661.42,7519.69 3818.9,7519.69 3976.38,7519.69 4173.23,7519.69 6825,7525 6925,7525 7025,7525 7125,7525 7225,7525 2431.81,7531.87 2568.19,7531.87 5420,7535 2070.87,7536.38 7324.42,7545.16 5900,7550 5504.01,7559.66 2460.63,7560.69 2539.37,7560.69 2075.41,7566.02 2500,7571.24 5840,7575 6825,7575 6925,7575 7025,7575 7125,7575 7225,7575 7324.42,7575.14 4292.2,7581.52 4408.9,7581.52 2083.15,7594.98 5950,7600 7324.42,7605.12 5599,7607.31 2094,7622.93 6775,7625 6875,7625 6975,7625 7075,7625 7175,7625 7324.42,7635.1 3602.13,7637.17 4073.26,7637.17 6120,7640 6280,7640 2107.84,7649.52 5915,7650 6000,7650 7324.42,7665.08 2124.5,7674.45 6775,7675 6875,7675 6975,7675 7075,7675 7175,7675 2263.78,7677.17 2460.63,7677.17 2657.48,7677.17 2854.33,7677.17 3051.18,7677.17 3248.03,7677.17 3444.88,7677.17 3661.42,7677.17 3818.9,7677.17 3976.38,7677.17 4330.71,7677.17 4527.56,7677.17 5019.69,7677.17 5216.54,7677.17 7324.42,7695.06 2143.77,7697.41 6050,7700 2165.43,7718.14 6825,7725 6925,7725 7025,7725 7125,7725 7225,7725 7275,7725 7324.42,7725.04 5995,7730 2189.23,7736.37 6100,7750 6150,7750 6200,7750 6250,7750 6300,7750 6350,7750 6400,7750 6450,7750 6500,7750 6550,7750 6600,7750 6650,7750 6700,7750 6750,7750 2214.87,7751.9 6820,7752 7324.42,7755.02 2242.06,7764.55 2270.46,7774.15 2299.74,7780.59 2329.55,7783.8 2359.52,7784.42 2389.5,7784.42 2419.48,7784.42 2449.46,7784.42 2479.44,7784.42 2509.42,7784.42 2539.4,7784.42 2569.38,7784.42 2599.36,7784.42 2629.34,7784.42 2659.32,7784.42 2689.3,7784.42 2719.28,7784.42 2749.26,7784.42 2779.24,7784.42 2809.22,7784.42 2839.2,7784.42 2869.18,7784.42 2899.16,7784.42 2929.14,7784.42 2959.12,7784.42 2989.1,7784.42 3019.08,7784.42 3049.06,7784.42 3079.04,7784.42 3109.02,7784.42 3139,7784.42 3168.98,7784.42 3198.96,7784.42 3228.94,7784.42 3258.92,7784.42 3288.9,7784.42 3318.88,7784.42 3348.86,7784.42 3378.84,7784.42 3408.82,7784.42 3438.8,7784.42 3468.78,7784.42 3498.76,7784.42 3528.74,7784.42 3558.72,7784.42 3588.7,7784.42 3618.68,7784.42 3648.66,7784.42 3678.64,7784.42 3708.62,7784.42 3738.6,7784.42 3768.58,7784.42 3798.56,7784.42 3828.54,7784.42 3858.52,7784.42 3888.5,7784.42 3918.48,7784.42 3948.46,7784.42 3978.44,7784.42 4008.42,7784.42 4038.4,7784.42 4068.38,7784.42 4098.36,7784.42 4128.34,7784.42 4158.32,7784.42 4188.3,7784.42 4218.28,7784.42 4248.26,7784.42 4278.24,7784.42 4308.22,7784.42 4338.2,7784.42 4368.18,7784.42 4398.16,7784.42 4428.14,7784.42 4458.12,7784.42 4488.1,7784.42 4518.08,7784.42 4548.06,7784.42 4578.04,7784.42 4608.02,7784.42 4638,7784.42 4667.98,7784.42 4697.96,7784.42 4727.94,7784.42 4757.92,7784.42 4787.9,7784.42 4817.88,7784.42 4847.86,7784.42 4877.84,7784.42 4907.82,7784.42 4937.8,7784.42 4967.78,7784.42 4997.76,7784.42 5027.74,7784.42 5057.72,7784.42 5087.7,7784.42 5117.68,7784.42 5147.66,7784.42 5177.64,7784.42 5207.62,7784.42 5237.6,7784.42 5267.58,7784.42 5297.56,7784.42 5327.54,7784.42 5357.52,7784.42 5387.5,7784.42 5417.48,7784.42 5447.46,7784.42 5477.44,7784.42 5507.42,7784.42 5537.4,7784.42 5567.38,7784.42 5597.36,7784.42 5627.34,7784.42 5657.32,7784.42 5687.3,7784.42 5717.28,7784.42 5747.26,7784.42 5777.24,7784.42 5807.22,7784.67 7324.42,7785 5837.05,7787.64 5866.23,7794.53 5894.23,7805.24 6090,7810 6190,7810 6345,7810 6500,7810 6650,7810 7324.42,7814.98 5920.56,7819.57 5944.77,7837.27 7324.42,7844.96 5966.4,7858.02 6730,7875 7324.42,7874.94 5985.1,7881.45 7255,7890 7324.42,7904.92 6000.52,7907.17 7170,7910 6500,7913.76 6805,7915 6915,7915 7015,7915 6460.63,7924.31 6539.37,7924.31 6012.38,7934.7 7324.42,7934.9 6431.81,7953.13 6568.19,7953.13 6020.5,7963.56 7324.42,7964.88 6200.79,7972.44 6024.7,7993.24 6421.26,7992.5 6578.74,7992.5 7324.42,7994.86 6025.58,8023.21 7324.42,8024.84 6431.81,8031.87 6568.19,8031.87 7000,8046.26 6025.58,8053.19 7324.42,8054.82 6960.63,8056.81 7039.37,8056.81 6460.63,8060.69 6539.37,8060.69 6500,8071.24 6692.91,8070.87 7185.04,8070.87 6025.58,8083.17 7324.42,8084.8 6931.81,8085.63 7068.19,8085.63 6025.65,8113.15 7324.24,8114.78 6921.26,8125 7078.74,8125 6028.96,8142.95 7320.72,8144.55 6931.81,8164.37 7068.19,8164.37 6200.79,8169.29 6037.04,8171.82 7312.43,8173.36 6960.63,8193.19 7039.37,8193.19 6049.91,8198.89 7299.18,8200.26 7000,8203.74 6067.55,8223.14 7281.37,8224.37 6088.87,8244.21 7259.9,8245.29 6113.37,8261.49 7235.15,8262.22 6140.7,8273.81 7207.73,8274.34 6169.66,8281.56 7178.72,8281.88 6249.44,8284.42 6279.42,8284.42 6309.4,8284.42 6339.38,8284.42 6369.36,8284.42 6399.34,8284.42 6429.32,8284.42 6459.3,8284.42 6489.28,8284.42 6519.26,8284.42 6549.24,8284.42 6579.22,8284.42 6609.2,8284.42 6639.18,8284.42 6669.16,8284.42 6699.14,8284.42 6729.12,8284.42 6759.1,8284.42 6789.08,8284.42 6819.06,8284.42 6849.04,8284.42 6879.02,8284.42 6909,8284.42 6938.98,8284.42 6968.96,8284.42 6998.94,8284.42 7028.92,8284.42 7058.9,8284.42 7088.88,8284.42 7118.86,8284.42 7148.84,8284.42 6199.49,8284.52 6224,8285
  other v2: 5798.71,5447.63 5828.24,5447.63 5769.18,5477.16 5828.24,5477.16 5769.18,5506.69 5798.71,5506.69 5828.24,5506.69
GTX_CAL_N: R121.1 U16.M6 | length 707.6
  (L1) Top w3.5: v1(4643.76,5565) 4643.76,5565.45 4641.56,5567.65 cw(c4652.51,5578.61) 4637.02,5578.61 cw(c4652.51,5578.61) 4641.56,5589.56 4655.47,5603.47 ccw(c4634.02,5624.91) 4664.35,5624.91 4664.35,5625 4664.35,5635.35 4664.37,5639.87 cw(c4667.87,5639.87) 4665.4,5642.34 cw(c4667.87,5639.87) 4667.87,5643.37 R121.1@4680.78,5643.37
  (L10) Inner 9 w3.5: v1@4638.85,5560.66 ccw(c4645.76,5553.77) 4637.14,5558.35 cw(c4622.94,5565) 4636.87,5557.8 ccw(c4645.76,5553.77) 4636,5553.77 4636,5547 ccw(c4656.78,5547) 4642.09,5532.31 4642.26,5532.13 cw(c4625.94,5515.81) 4649.02,5515.81 4649.02,5374.02 cw(c4625.98,5374.02) 4649,5373.07 ; 4649,5372.98 4649,5334 ccw(c4664.65,5334) 4664.65,5318.35 4706,5318.35 cw(c4706,5296.42) 4727.93,5296.42 4727.93,5135.58 cw(c4707.35,5135.58) 4707.35,5115 4703,5115 ccw(c4703,5100.71) 4688.71,5100.71 4688.71,5098 4688.71,5075 4688.71,5068.32 ccw(c4692.21,5068.32) 4690.52,5065.25 4690.82,5065.09 v1(4704.72,5059.06)
GTX_CAL_P: NT9.1 R121.2 U16.M5 | length 713
  (L1) Top w3.5: v1(4622.94,5565) 4622.94,5565.45 4624.06,5566.58 ccw(c4610.51,5580.13) 4629.67,5580.13 cw(c4648.84,5580.13) 4635.29,5593.68 4650.21,5608.6 ccw(c4633.81,5625) 4657,5625 4657,5638.39 4657.02,5639.87 ccw(c4653.52,5639.87) 4656,5642.34 ccw(c4653.52,5639.87) 4653.52,5643.37 R121.2@4640.62,5643.37
  (L10) Inner 9 w3.5: v1(4622.94,5565) ccw(c4626.5,5565) v1@4623.97,5562.48 ; v1@4623.98,5562.48 4625.79,5560.67 cw(c4618.89,5553.77) 4628.65,5553.77 4628.65,5546.94 ccw(c4656.63,5546.94) 4636.85,5527.15 4637,5527 cw(c4625.72,5515.72) 4641.67,5515.72 4641.67,5374.02 cw(c4625.98,5374.02) 4641.66,5373.35 ccw(c4652.5,5372.96) 4641.65,5373.01 4641.65,5334 ccw(c4664.65,5334) 4664.65,5311 4706,5311 cw(c4706,5296.42) 4720.58,5296.42 4720.58,5135.58 cw(c4707.35,5135.58) 4707.35,5122.35 4702.93,5122.35 ccw(c4702.93,5100.78) 4681.36,5100.78 4681.36,5098 4681.36,5075.04 ; v1(4665.35,5059.06) 4679.26,5065.09 4679.67,5065.34 ccw(c4677.86,5068.33) 4681.36,5068.3 4681.36,5075
GTX_REFCLK_DC_N: C121.2 U17.5 | length 92.6
  (L1) Top w3.5: U17.5@3808,5254.35 cw(c3808,5243.99) 3815.28,5251.36 3822.37,5244.9 3825.74,5241.9 ccw(c3827.87,5244.67) 3827.87,5241.17 3827.97,5241.07 3843,5241.07 3843.05,5241.12 3859.31,5241.12 3859.36,5241.17 ccw(c3859.36,5269.62) 3878.51,5248.59 ccw(c3859.36,5269.62) 3879.47,5249.5 3883.46,5253.31 C121.2@3888.97,5260